# KiCad board pcb.kicad_pcb (continued)
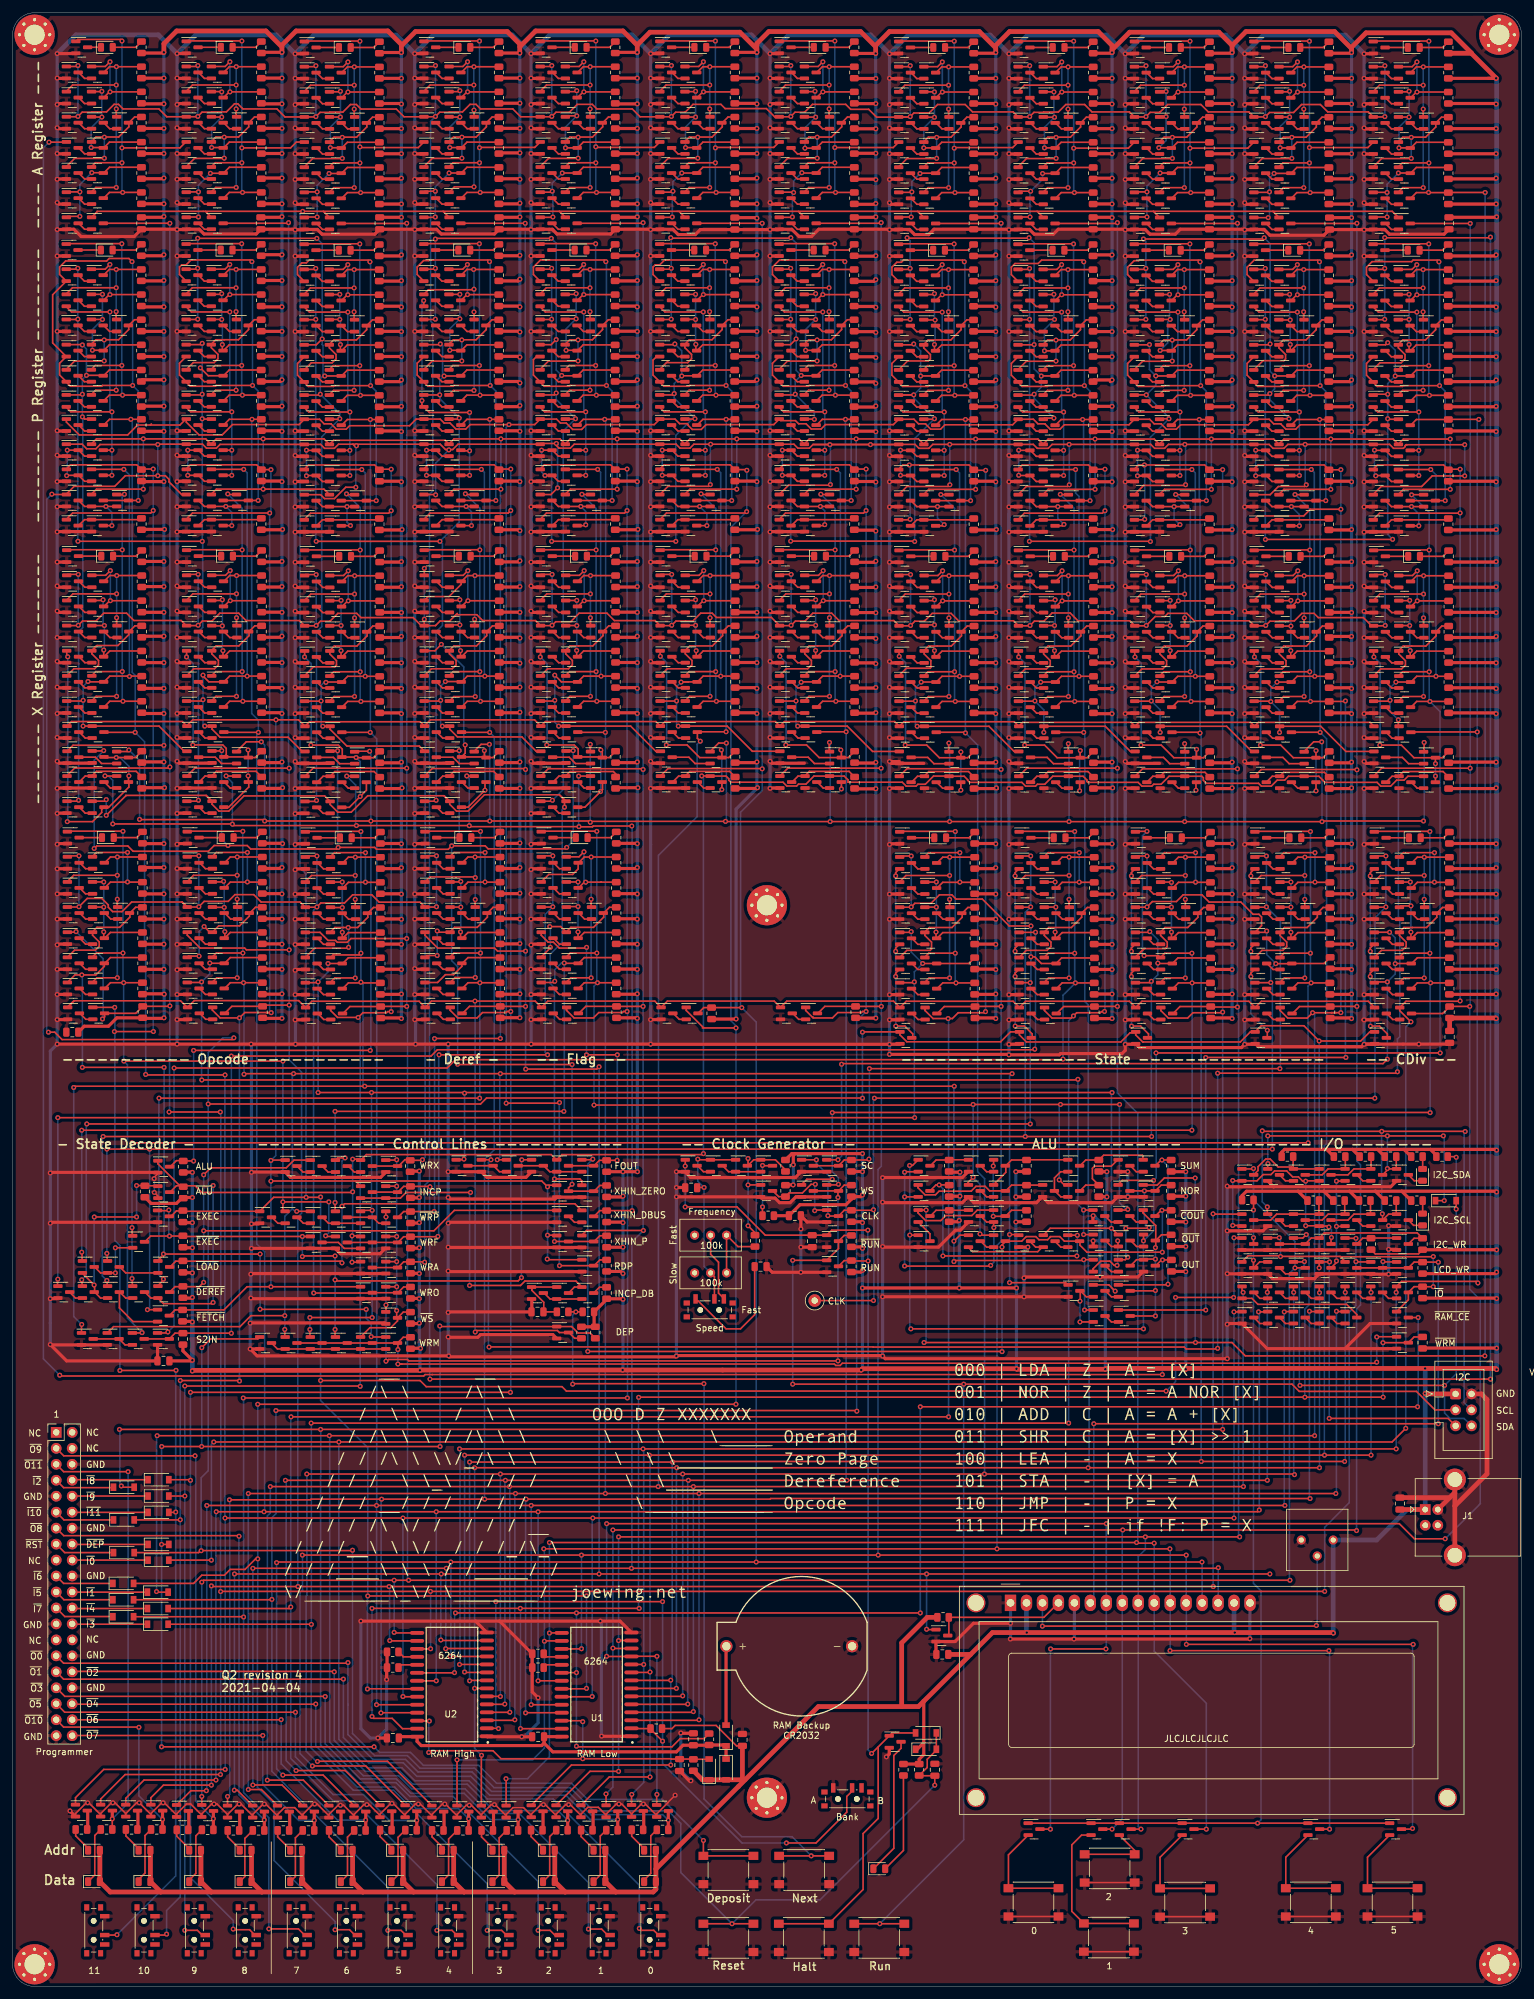
[diagram p0: board, top side]
## Routing (per net, layer and track width the routed paths; a pad name or vN(x,y) marks a point on that pad's centre or on a via; arc(x,y) is an arc through that point) (continued)
Net-(Q482-Pad1): length 22.3
  Top w0.25: 163.76,127.49 R210.2 158.91,127.49 158,126.58 155.44,126.58 154.71,127.3 153.25,127.3 152.51,126.56 152.51,126.53 147.39,126.53 146.81,125.95 145.15,125.95 144.06,127.04 Q482.1 ; 144,127.53 144,127.1
Net-(Q483-Pad2): length 2.4
  Top w0.25: 156,125.63 154.95,125.63 154,126.58
Net-(Q484-Pad2): length 2.4
  Top w0.25: 177.8,130.58 178.75,129.63 179.8,129.63
Net-(Q486-Pad1): length 11.1
  Top w0.25: 175.8,131.53 174.78,130.5 172.11,130.5 171.77,130.16 171.77,128.51 R214.2 170.71,127.49 169.8,126.58
Net-(Q489-Pad2): length 2.4
  Top w0.25: 179.8,121.63 178.75,121.63 177.8,122.58
Net-(Q490-Pad2): length 2.4
  Top w0.25: 165.8,118.58 166.75,117.63 167.8,117.63
Net-(Q491-Pad2): length 2.4
  Top w0.25: 154,118.58 154.95,117.63 156,117.63
Net-(Q492-Pad2): length 2.4
  Top w0.25: 175.8,121.63 174.75,121.63 173.8,122.58
Net-(Q493-Pad2): length 14.8
  Top w0.25: 152,117.63 152.73,116.9 163.07,116.9 163.8,117.63 162.75,117.63 161.8,118.58
Net-(Q495-Pad2): length 2.4
  Top w0.25: 177.85,118.68 178.8,117.73 179.85,117.73
Net-(Q496-Pad2): length 2.4
  Top w0.25: 173.85,114.68 174.8,113.73 175.85,113.73
Net-(Q497-Pad2): length 2.4
  Top w0.25: 173.85,110.68 174.8,109.73 175.85,109.73
Net-(Q498-Pad2): length 2.4
  Top w0.25: 175.85,105.73 174.8,105.73 173.85,106.68
Net-(Q501-Pad2): length 12.7
  Top w0.25: v1(175.7,114.73) 175.24,114.73 174.56,115.4 173.1,115.4 171.91,114.21 Q502.2 ; 171.85,114.11 171.85,113.73 ; 173.85,118.68 174.8,117.73 175.85,117.73 175.85,118.58 v1(175.8,118.63)
  Bottom w0.25: v1(175.7,114.73) 175.8,114.83 v1(175.8,118.63)
Net-(Q503-Pad2): length 9.4
  Top w0.25: 171.85,105.73 v1(169.8,105.73) ; 171.85,109.73 170.8,109.73 169.85,110.68 169.85,109.09 v1(169.8,109.04)
  Bottom w0.25: v1(169.8,105.73) v1(169.8,109.04)
Net-(Q510-Pad2): length 2.4
  Top w0.25: 67.58,154.82 68.53,153.87 69.58,153.87
Net-(Q512-Pad2): length 2.4
  Top w0.25: 67.38,248.42 68.33,247.47 69.38,247.47
Net-(Q514-Pad2): length 11.7
  Top w0.25: 67.38,244.42 68.33,243.47 69.38,243.47 ; 67.38,240.42 68.33,239.47 69.38,239.47 ; v1(65.85,240.43) 65.86,240.42 Q519.3 ; v1(65.85,244.43) 65.86,244.42 Q518.3
  Bottom w0.25: v1(65.85,240.43) v1(65.85,244.43)
Net-(Q516-Pad2): length 11.5
  Top w0.25: 67.38,236.42 68.33,235.47 v1(72.16,235.47) 73.38,235.47 ; Q521.3 73,232.42 v1(73,232.43) ; 72.75,232.42 72.75,232.43
  Bottom w0.25: v1(73,232.43) 73,234.63 v1(72.16,235.47)
Net-(Q521-Pad1): length 10.2
  Top w0.25: 67.38,232.42 68.33,233.37 77.16,233.37
Net-(Q523-Pad1): length 39.5
  Top w0.25: 71.36,272.27 72.27,273.18 v1(73.35,273.18) R225.2 ; v1(73.4,266.43) 73.42,266.41 Q532.1 ; v1(73.4,270.03) 73.33,269.95 66.15,269.95 Q526.1 ; Q523.1 70.13,253.93 v1(73.4,253.93)
  Bottom w0.25: v1(73.4,253.93) 73.43,253.95 73.43,266.4 v1(73.4,266.43) v1(73.4,270.03) 73.4,273.13 v1(73.35,273.18)
Net-(Q523-Pad2): length 2.4
  Top w0.25: 67.36,252.27 68.31,251.32 69.36,251.32
Net-(Q524-Pad1): length 21
  Top w0.25: 71.36,260.27 72.27,261.18 R227.2 ; v1(71.15,269.23) 71.14,269.22 Q524.1 ; v1(71.15,265.33) 69.53,265.33 ; v1(69.55,260.32) 71.24,260.32
  Bottom w0.25: v1(69.55,260.32) 69.55,263.73 v1(71.15,265.33) v1(71.15,269.23)
Net-(Q524-Pad2): length 2.4
  Top w0.25: 67.36,268.27 68.31,267.32 69.36,267.32
Net-(Q524-Pad3): length 14.5
  Top w0.25: 71.36,268.27 72.27,269.18 v1(72.37,269.18) R222.2 ; v1(72.36,273.97) 71.61,273.22 69.36,273.22
  Bottom w0.25: v1(72.36,273.97) 72.36,269.19 v1(72.37,269.18)
Net-(Q528-Pad2): length 2.4
  Top w0.25: 67.36,256.27 68.31,255.32 69.36,255.32
Net-(Q529-Pad2): length 2.4
  Top w0.25: 67.36,272.27 68.31,271.32 69.36,271.32
Net-(Q530-Pad1): length 20.1
  Top w0.25: R226.2 76.27,265.18 75.36,264.27 75.36,263.62 73.73,261.99 71.48,261.99 ; 69.36,261.22 70.13,261.99 71.48,261.99 ; 71.48,261.99 v1(71.45,261.97) ; 65.36,257.22 66.73,258.59 71.42,258.59 v1(71.45,258.63)
  Bottom w0.25: v1(71.45,261.97) v1(71.45,258.63)
Net-(Q532-Pad2): length 2.4
  Top w0.25: 71.36,264.27 72.3,263.32 73.36,263.32
Net-(Q533-Pad2): length 2.4
  Top w0.25: 67.36,264.27 68.31,263.32 69.36,263.32
Net-(Q535-Pad2): length 2.4
  Top w0.25: 67.36,260.27 68.31,259.32 69.36,259.32
Net-(Q537-Pad2): length 2.4
  Top w0.25: 67.38,280.52 68.33,279.57 69.38,279.57
Net-(Q539-Pad1): length 39.3
  Top w0.25: 71.38,304.52 72.29,305.43 v1(73.39,305.43) R232.2 ; 65.38,301.47 66.42,302.52 v1(73.38,302.52) ; v1(73.4,286.33) 70.29,286.33 69.44,285.47 ; v1(73.4,298.53) 73.4,297.51
  Bottom w0.25: v1(73.39,305.43) 73.38,305.42 v1(73.38,302.52) 73.38,298.55 v1(73.4,298.53) v1(73.4,286.33)
Net-(Q539-Pad2): length 2.4
  Top w0.25: 67.38,284.52 68.33,283.57 69.38,283.57
Net-(Q540-Pad1): length 21.3
  Top w0.25: 71.38,292.52 72.29,293.43 R234.2 ; v1(71.15,297.43) 69.48,297.43 ; Q540.1 71,301.47 v1(71.15,301.63) ; v1(69.55,292.57) 71.26,292.57
  Bottom w0.25: v1(71.15,301.63) v1(71.15,297.43) 69.55,295.83 v1(69.55,292.57)
Net-(Q540-Pad2): length 2.4
  Top w0.25: 67.38,300.52 68.33,299.57 69.38,299.57
Net-(Q540-Pad3): length 14.5
  Top w0.25: 71.38,300.52 72.29,301.43 v1(72.39,301.43) R229.2 ; v1(72.38,306.22) 71.62,305.47 69.38,305.47
  Bottom w0.25: v1(72.38,306.22) 72.38,301.45 v1(72.39,301.43)
Net-(Q544-Pad2): length 2.4
  Top w0.25: 67.38,288.52 68.33,287.57 69.38,287.57
Net-(Q545-Pad2): length 2.4
  Top w0.25: 67.38,304.52 68.33,303.57 69.38,303.57
Net-(Q546-Pad1): length 20.1
  Top w0.25: R233.2 76.29,297.43 75.38,296.52 75.38,295.87 73.75,294.25 71.5,294.25 ; 69.38,293.47 70.15,294.25 71.5,294.25 ; 71.5,294.25 v1(71.47,294.22) ; 65.38,289.47 66.75,290.85 71.44,290.85 v1(71.47,290.88)
  Bottom w0.25: v1(71.47,294.22) v1(71.47,290.88)
Net-(Q548-Pad2): length 2.4
  Top w0.25: 71.38,296.52 72.32,295.57 73.38,295.57
Net-(Q549-Pad2): length 2.4
  Top w0.25: 67.38,296.52 68.33,295.57 69.38,295.57
Net-(Q551-Pad2): length 2.4
  Top w0.25: 67.38,292.52 68.33,291.57 69.38,291.57
Net-(Q553-Pad2): length 2.3
  Top w0.25: 71.48,191.62 72.43,190.67 73.38,190.67
Net-(Q554-Pad2): length 2.4
  Top w0.25: 67.47,199.57 68.42,198.62 69.47,198.62
Net-(Q555-Pad2): length 2.4
  Top w0.25: 67.48,187.62 68.43,186.67 69.48,186.67
Net-(Q556-Pad2): length 6.4
  Top w0.25: 71.05,194.57 70.05,195.57 67.48,195.57 ; 71.01,194.57 73.38,194.57
Net-(Q558-Pad1): length 11
  Top w0.25: R236.2 76.54,193.32 70.22,193.32 69.48,192.57 68.43,192.57 67.48,191.62
Net-(Q563-Pad1): length 38.5
  Top w0.25: 71.42,223.56 72.34,224.47 v1(73.55,224.47) R241.2 ; Q572.1 73.49,217.51 v1(73.5,217.53) ; Q569.3 71.36,223.08 69.42,221.14 66.11,221.14 Q566.1 ; Q563.1 70.2,205.23 v1(73.6,205.23)
  Bottom w0.25: v1(73.6,205.23) 73.5,205.33 v1(73.5,217.53) 73.5,224.42 v1(73.55,224.47)
Net-(Q563-Pad2): length 2.4
  Top w0.25: 67.42,203.56 68.38,202.61 69.42,202.61
Net-(Q564-Pad1): length 18.6
  Top w0.25: 71.42,211.56 72.34,212.47 R243.2 ; v1(71.25,212.53) 71.25,211.67 ; v1(71.15,220.63) 71.03,220.51 Q564.1 ; v1(71.15,216.63) 69.6,216.63
  Bottom w0.25: v1(71.15,220.63) v1(71.15,216.63) 71.15,212.63 v1(71.25,212.53)
Net-(Q564-Pad2): length 2.4
  Top w0.25: 67.42,219.56 68.38,218.61 69.42,218.61
Net-(Q564-Pad3): length 14.5
  Top w0.25: 71.42,219.56 72.34,220.47 v1(72.44,220.47) R238.2 ; v1(72.42,225.26) 71.67,224.51 69.42,224.51
  Bottom w0.25: v1(72.42,225.26) 72.42,220.49 v1(72.44,220.47)
Net-(Q568-Pad2): length 2.4
  Top w0.25: 67.42,207.56 68.38,206.61 69.42,206.61
Net-(Q569-Pad2): length 2.4
  Top w0.25: 67.42,223.56 68.38,222.61 69.42,222.61
Net-(Q570-Pad1): length 18.5
  Top w0.25: R242.2 76.34,216.47 75.42,215.56 75.42,214.91 73.8,213.29 70.2,213.29 69.42,212.51 ; Q570.1 66.63,209.65 69.93,209.65 70.55,210.26 70.55,210.96 69.49,212.03 Q575.1
Net-(Q572-Pad2): length 2.4
  Top w0.25: 71.42,215.56 72.37,214.61 73.42,214.61
Net-(Q573-Pad2): length 2.4
  Top w0.25: 67.42,215.56 68.38,214.61 69.42,214.61
Net-(Q575-Pad2): length 2.4
  Top w0.25: 67.42,211.56 68.38,210.61 69.42,210.61
Net-(Q577-Pad1): length 39.5
  Top w0.25: 71.54,178.78 72.45,179.69 v1(73.57,179.69) R248.2 ; Q577.1 70.39,160.53 v1(73.6,160.53) ; v1(73.6,172.93) 73.6,171.73 ; v1(73.6,176.43) 73.49,176.53 66.4,176.53 Q580.1
  Bottom w0.25: v1(73.57,179.69) 73.6,179.66 v1(73.6,176.43) v1(73.6,172.93) v1(73.6,160.53)
Net-(Q577-Pad2): length 2.4
  Top w0.25: 67.54,158.78 68.49,157.83 69.54,157.83
Net-(Q578-Pad1): length 18.9
  Top w0.25: 71.54,166.78 72.45,167.69 R250.2 ; v1(71.26,167.78) 71.26,166.99 Q589.3 ; Q578.1 71.22,175.73 v1(71.3,175.81) ; v1(71.3,171.73) 69.6,171.73
  Bottom w0.25: v1(71.3,175.81) v1(71.3,171.73) 71.3,167.82 v1(71.26,167.78)
Net-(Q578-Pad2): length 2.4
  Top w0.25: 67.54,174.78 68.49,173.83 69.54,173.83
Net-(Q578-Pad3): length 17.1
  Top w0.25: 71.54,174.78 72.45,175.69 75.1,175.69 ; 75.15,175.69 75.15,175.71 v1(75.16,175.72) 75.13,175.72 75.1,175.69 ; 75.15,175.69 R245.2 ; 75.15,175.69 75.1,175.69 ; 69.54,179.73 70.22,180.42 v1(75.16,180.42)
  Bottom w0.25: v1(75.16,175.72) v1(75.16,180.42)
Net-(Q582-Pad2): length 2.4
  Top w0.25: 67.54,162.78 68.49,161.83 69.54,161.83
Net-(Q583-Pad2): length 2.4
  Top w0.25: 67.54,178.78 68.49,177.83 69.54,177.83
Net-(Q584-Pad1): length 18.1
  Top w0.25: R249.2 76.45,171.69 75.54,170.78 75.54,170.13 73.91,168.51 70.31,168.51 69.54,167.73 ; Q589.1 67.75,167.73 v1(67.55,167.93) ; v1(67.55,164.03) 65.89,164.03 Q584.1
  Bottom w0.25: v1(67.55,167.93) v1(67.55,164.03)
Net-(Q586-Pad2): length 2.4
  Top w0.25: 71.54,170.78 72.48,169.83 73.54,169.83
Net-(Q587-Pad2): length 2.4
  Top w0.25: 67.54,170.78 68.49,169.83 69.54,169.83
Net-(Q589-Pad2): length 2.4
  Top w0.25: 67.54,166.78 68.49,165.83 69.54,165.83
Net-(Q591-Pad2): length 2.4
  Top w0.25: 182.6,153.85 181.55,153.85 180.6,154.8
Net-(Q594-Pad2): length 2.4
  Top w0.25: 182.4,247.45 181.35,247.45 180.4,248.4
Net-(Q596-Pad2): length 13
  Top w0.25: 179.3,240.3 180.3,240.3 ; 182.4,243.45 181.35,243.45 180.4,244.4 ; 182.4,239.45 181.35,239.45 180.4,240.4 ; v1(178.95,244.43) 178.98,244.4 Q600.3 ; Q601.3 179,240.4 v1(178.95,240.35)
  Bottom w0.25: 178.95,243.73 178.95,243.73 v1(178.95,244.43) ; 178.95,243.73 v1(178.95,240.35) ; 178.95,243.73 178.95,244.05
Net-(Q598-Pad2): length 11.3
  Top w0.25: 180.4,236.4 181.35,235.45 Q599.2 ; v1(185.7,232.58) 185.52,232.4 184.4,232.4
  Bottom w0.25: 185.7,232.4 v1(185.7,232.58) 184.77,233.51 v1(184.77,235.45)
Net-(Q603-Pad1): length 10.2
  Top w0.25: 180.4,232.4 181.35,233.35 190.19,233.35
Net-(Q605-Pad1): length 39.6
  Top w0.25: R259.2 v1(186.39,273.15) 185.29,273.15 184.38,272.24 ; v1(186.38,270.24) 179.43,270.24 178.38,269.19 ; v1(186.38,266.44) 186.38,265.19 ; 182.38,253.19 183.13,253.94 v1(186.38,253.94)
  Bottom w0.25: v1(186.39,273.15) 186.38,273.14 v1(186.38,270.24) v1(186.38,266.44) v1(186.38,253.94)
Net-(Q605-Pad2): length 2.4
  Top w0.25: 180.38,252.24 181.33,251.29 182.38,251.29
Net-(Q606-Pad1): length 21
  Top w0.25: R261.2 185.29,261.15 184.38,260.24 ; Q606.1 184.01,269.19 v1(184.05,269.23) ; v1(182.55,260.29) 184.27,260.29 ; v1(184.15,265.23) 182.48,265.23
  Bottom w0.25: v1(184.05,269.23) 184.05,265.33 v1(184.15,265.23) 183.75,264.83 183.75,261.5 v1(182.55,260.29)
Net-(Q606-Pad2): length 2.4
  Top w0.25: 180.38,268.24 181.33,267.29 182.38,267.29
Net-(Q606-Pad3): length 14.5
  Top w0.25: R256.2 v1(185.39,269.15) 185.29,269.15 184.38,268.24 ; v1(185.38,273.94) 184.63,273.19 182.38,273.19
  Bottom w0.25: v1(185.39,269.15) 185.38,269.17 v1(185.38,273.94)
Net-(Q610-Pad2): length 2.4
  Top w0.25: 182.38,255.29 181.33,255.29 180.38,256.24
Net-(Q611-Pad2): length 2.4
  Top w0.25: 182.38,271.29 181.33,271.29 180.38,272.24
Net-(Q612-Pad1): length 20.1
  Top w0.25: 178.38,257.19 179.75,258.57 184.44,258.57 v1(184.48,258.6) ; 184.51,261.97 186.75,261.97 188.38,263.59 188.38,264.24 189.29,265.15 R260.2 ; 184.51,261.97 183.16,261.97 182.38,261.19 ; 184.51,261.97 v1(184.48,261.94)
  Bottom w0.25: v1(184.48,261.94) v1(184.48,258.6)
Net-(Q614-Pad2): length 2.4
  Top w0.25: 186.38,263.29 185.33,263.29 184.38,264.24
Net-(Q615-Pad2): length 2.4
  Top w0.25: 180.38,264.24 181.33,263.29 182.38,263.29
Net-(Q617-Pad2): length 2.4
  Top w0.25: 182.38,259.29 181.33,259.29 180.38,260.24
Net-(Q619-Pad2): length 2.4
  Top w0.25: 182.4,279.55 181.35,279.55 180.4,280.5
Net-(Q621-Pad1): length 39.6
  Top w0.25: v1(186.4,298.7) 186.4,297.45 ; 182.4,285.45 183.15,286.2 v1(186.4,286.2) ; 184.4,304.5 185.31,305.41 v1(186.41,305.41) R266.2 ; 178.4,301.45 179.45,302.5 v1(186.4,302.5)
  Bottom w0.25: v1(186.4,286.2) v1(186.4,298.7) v1(186.4,302.5) 186.4,305.4 v1(186.41,305.41)
Net-(Q621-Pad2): length 2.4
  Top w0.25: 182.4,283.55 181.35,283.55 180.4,284.5
Net-(Q622-Pad1): length 19.9
  Top w0.25: v1(183.5,301.5) 183.45,301.45 182.4,301.45 ; R268.2 185.31,293.41 184.4,292.5 ; v1(183.5,297.5) 182.45,297.5 ; v1(182.35,292.55) 184.29,292.55
  Bottom w0.25: v1(183.5,301.5) v1(183.5,297.5) 183.5,293.7 v1(182.35,292.55)
Net-(Q622-Pad2): length 2.4
  Top w0.25: 180.4,300.5 181.35,299.55 182.4,299.55
Net-(Q622-Pad3): length 14.5
  Top w0.25: v1(185.4,306.2) 184.65,305.45 182.4,305.45 ; R263.2 v1(185.41,301.41) 185.31,301.41 184.4,300.5
  Bottom w0.25: v1(185.4,306.2) 185.4,301.42 v1(185.41,301.41)
Net-(Q626-Pad2): length 2.4
  Top w0.25: 182.4,287.55 181.35,287.55 180.4,288.5
Net-(Q627-Pad2): length 2.4
  Top w0.25: 180.4,304.5 181.35,303.55 182.4,303.55
Net-(Q628-Pad1): length 20.1
  Top w0.25: v1(184.5,290.86) 184.46,290.82 179.77,290.82 178.4,289.45 ; 184.53,294.22 v1(184.5,294.2) ; 184.53,294.22 186.78,294.22 188.4,295.85 188.4,296.5 189.31,297.41 R267.2 ; 184.53,294.22 183.18,294.22 182.4,293.45
  Bottom w0.25: v1(184.5,294.2) v1(184.5,290.86)
Net-(Q630-Pad2): length 2.4
  Top w0.25: 186.4,295.55 185.35,295.55 184.4,296.5
Net-(Q631-Pad2): length 2.4
  Top w0.25: 180.4,296.5 181.35,295.55 182.4,295.55
Net-(Q633-Pad2): length 2.4
  Top w0.25: 182.4,291.55 181.35,291.55 180.4,292.5
Net-(Q635-Pad2): length 2.3
  Top w0.25: 184.5,191.6 185.45,190.65 186.4,190.65
Net-(Q636-Pad2): length 2.4
  Top w0.25: 182.5,198.6 181.45,198.6 180.5,199.55
Net-(Q637-Pad2): length 6.4
  Top w0.25: 184.08,194.55 183.08,195.55 180.5,195.55 ; 184.04,194.55 186.4,194.55
Net-(Q638-Pad3): length 11
  Top w0.25: R270.2 189.69,193.17 183.19,193.17 Q639.1 181.39,192.55 Q638.3
Net-(Q642-Pad1): length 39.6
  Top w0.25: v1(186.45,217.74) 186.45,216.49 ; 182.45,204.49 183.2,205.24 v1(186.45,205.24) ; 184.45,223.54 185.36,224.45 v1(186.46,224.45) R275.2 ; v1(186.45,221.54) 179.5,221.54 178.45,220.49
  Bottom w0.25: v1(186.46,224.45) 186.45,224.44 v1(186.45,221.54) v1(186.45,217.74) v1(186.45,205.24)
Net-(Q642-Pad2): length 2.4
  Top w0.25: 180.45,203.54 181.4,202.59 182.45,202.59
Net-(Q643-Pad1): length 18.7
  Top w0.25: 184.45,211.54 185.36,212.45 R277.2 ; v1(184.15,212.54) 184.15,211.77 Q654.3 ; Q643.1 184.11,220.49 v1(184.15,220.53) ; v1(184.15,216.53) 182.55,216.53
  Bottom w0.25: v1(184.15,220.53) v1(184.15,216.53) v1(184.15,212.54)
Net-(Q643-Pad2): length 2.4
  Top w0.25: 182.45,218.59 181.4,218.59 180.45,219.54
Net-(Q643-Pad3): length 14.5
  Top w0.25: 182.45,224.49 184.7,224.49 v1(185.45,225.24) ; R272.2 v1(185.46,220.45) 185.36,220.45 184.45,219.54
  Bottom w0.25: v1(185.45,225.24) 185.45,220.46 v1(185.46,220.45)
Net-(Q647-Pad2): length 2.4
  Top w0.25: 182.45,206.59 181.4,206.59 180.45,207.54
Net-(Q648-Pad2): length 2.4
  Top w0.25: 180.45,223.54 181.4,222.59 182.45,222.59
Net-(Q649-Pad1): length 18.5
  Top w0.25: 182.45,212.49 183.23,213.26 186.82,213.26 188.45,214.89 188.45,215.54 189.36,216.45 R276.2 ; Q649.1 179.65,209.62 182.96,209.62 183.58,210.24 183.58,210.94 182.51,212 Q654.1
Net-(Q651-Pad2): length 2.4
  Top w0.25: 186.45,214.59 185.4,214.59 184.45,215.54
Net-(Q652-Pad2): length 2.4
  Top w0.25: 182.45,214.59 181.4,214.59 180.45,215.54
Net-(Q654-Pad2): length 2.4
  Top w0.25: 180.45,211.54 181.4,210.59 182.45,210.59
Net-(Q656-Pad1): length 39.6
  Top w0.25: v1(186.56,176.76) 179.61,176.76 178.56,175.71 ; v1(186.56,172.96) 186.56,171.71 ; 184.56,178.76 185.47,179.67 v1(186.57,179.67) R282.2 ; 182.56,159.71 183.31,160.46 v1(186.56,160.46)
  Bottom w0.25: v1(186.56,160.46) v1(186.56,172.96) v1(186.56,176.76) 186.56,179.66 v1(186.57,179.67)
Net-(Q656-Pad2): length 2.4
  Top w0.25: 182.56,157.81 181.51,157.81 180.56,158.76
Net-(Q657-Pad1): length 18.6
  Top w0.25: R284.2 185.47,167.67 184.56,166.76 ; v1(184.35,175.66) 184.3,175.71 Q657.1 ; v1(184.35,167.76) 184.35,166.9 ; v1(184.35,171.73) 182.64,171.73
  Bottom w0.25: v1(184.35,167.76) v1(184.35,171.73) v1(184.35,175.66)
Net-(Q657-Pad2): length 2.4
  Top w0.25: 182.56,173.81 181.51,173.81 180.56,174.76
Net-(Q657-Pad3): length 17.1
  Top w0.25: R279.2 188.17,175.67 ; 188.17,175.67 188.17,175.68 v1(188.19,175.7) 188.16,175.7 188.13,175.67 ; 188.17,175.67 188.13,175.67 ; 182.56,179.71 183.25,180.39 v1(188.19,180.39) ; 184.56,174.76 185.47,175.67 188.13,175.67
  Bottom w0.25: v1(188.19,175.7) v1(188.19,180.39)
Net-(Q661-Pad2): length 2.4
  Top w0.25: 182.56,161.81 181.51,161.81 180.56,162.76
Net-(Q662-Pad2): length 2.4
  Top w0.25: 180.56,178.76 181.51,177.81 182.56,177.81
Net-(Q663-Pad1): length 20.4
  Top w0.25: R283.2 189.47,171.67 188.56,170.76 188.56,170.11 186.94,168.48 183.34,168.48 182.56,167.71 ; 179.94,165.08 178.56,163.71 ; Q668.1 182.62,167.22 183.69,166.16 183.69,165.46 183.35,165.13 180.04,165.13 Q663.1
Net-(Q665-Pad2): length 2.4
  Top w0.25: 186.56,169.81 185.51,169.81 184.56,170.76
Net-(Q666-Pad2): length 2.4
  Top w0.25: 180.56,170.76 181.51,169.81 182.56,169.81
Net-(Q668-Pad2): length 2.4
  Top w0.25: 182.56,165.81 181.51,165.81 180.56,166.76
Net-(Q674-Pad2): length 2.6
  Top w0.25: Q675.3 218.89,109.48 Q674.2
Net-(Q675-Pad2): length 2.6
  Top w0.25: Q676.3 214.79,109.48 Q675.2
Net-(Q676-Pad2): length 2.6
  Top w0.25: Q676.2 210.69,109.48 Q677.3
Net-(Q677-Pad2): length 2.6
  Top w0.25: Q677.2 206.59,109.48 Q680.3
Net-(Q680-Pad2): length 2.6
  Top w0.25: Q680.2 202.49,109.48 Q681.3
Net-(Q681-Pad2): length 2.6
  Top w0.25: Q681.2 198.41,109.48 Q682.3
Net-(Q682-Pad2): length 19.8
  Top w0.25: Q682.2 197.15,109.48 198.1,108.53 212.22,108.53 213.84,106.91 Q683.3
Net-(Q683-Pad2): length 2.6
  Top w0.25: Q683.2 210.69,105.48 Q684.3
Net-(Q684-Pad2): length 2.6
  Top w0.25: Q685.3 206.59,105.48 Q684.2
Net-(Q685-Pad2): length 2.6
  Top w0.25: Q686.3 202.49,105.48 Q685.2
Net-(Q686-Pad2): length 2.6
  Top w0.25: Q687.3 198.41,105.48 Q686.2
Net-(Q688-Pad2): length 2.4
  Top w0.25: 86.07,154.82 87.03,153.87 88.07,153.87
Net-(Q690-Pad2): length 2.4
  Top w0.25: 85.88,248.42 86.82,247.47 87.88,247.47
Net-(Q692-Pad2): length 11.9
  Top w0.25: 87.88,243.47 86.82,243.47 85.88,244.42 84.16,244.42 v1(84.15,244.43) ; 85.88,240.42 86.82,239.47 87.88,239.47 ; Q697.3 84.71,240.42 v1(84.69,240.4)
  Bottom w0.25: v1(84.69,240.4) 84.15,240.95 v1(84.15,244.43)
Net-(Q694-Pad2): length 11.1
  Top w0.25: 85.88,236.42 86.82,235.47 v1(90.4,235.47) 91.88,235.47 ; 89.88,232.42 91.04,232.42 v1(91.18,232.55)
  Bottom w0.25: 91.18,232.42 v1(91.18,232.55) 91.18,234.69 v1(90.4,235.47)
Net-(Q699-Pad1): length 10.2
  Top w0.25: 85.88,232.42 86.82,233.37 95.66,233.37
Net-(Q701-Pad1): length 39.6
  Top w0.25: 89.85,272.27 90.77,273.18 v1(91.87,273.18) R306.2 ; v1(91.85,253.97) 88.6,253.97 87.85,253.22 ; v1(91.85,266.47) 91.85,265.22 ; 83.85,269.22 84.91,270.27 v1(91.85,270.27)
  Bottom w0.25: v1(91.85,253.97) v1(91.85,266.47) v1(91.85,270.27) 91.85,273.17 v1(91.87,273.18)
Net-(Q701-Pad2): length 2.4
  Top w0.25: 85.85,252.27 86.81,251.32 87.85,251.32
Net-(Q702-Pad1): length 21.1
  Top w0.25: 89.85,260.27 90.77,261.18 R308.2 ; v1(89.65,269.33) 89.54,269.22 Q702.1 ; v1(88.05,260.32) 89.74,260.32 ; v1(89.65,265.33) 88.03,265.33
  Bottom w0.25: v1(88.05,260.32) 88.05,263.73 v1(89.65,265.33) v1(89.65,269.33)
Net-(Q702-Pad2): length 2.4
  Top w0.25: 85.85,268.27 86.81,267.32 87.85,267.32
Net-(Q702-Pad3): length 14.5
  Top w0.25: 89.85,268.27 90.77,269.18 v1(90.87,269.18) R303.2 ; v1(90.85,273.97) 90.1,273.22 87.85,273.22
  Bottom w0.25: v1(90.85,273.97) 90.85,269.19 v1(90.87,269.18)
Net-(Q706-Pad2): length 2.4
  Top w0.25: 85.85,256.27 86.81,255.32 87.85,255.32
Net-(Q707-Pad2): length 2.4
  Top w0.25: 85.85,272.27 86.81,271.32 87.85,271.32
Net-(Q708-Pad1): length 20.1
  Top w0.25: R307.2 94.77,265.18 93.85,264.27 93.85,263.62 92.23,261.99 89.98,261.99 ; 87.85,261.22 88.63,261.99 89.98,261.99 ; 89.98,261.99 v1(89.96,261.97) ; 83.85,257.22 85.23,258.59 89.92,258.59 v1(89.96,258.63)
  Bottom w0.25: v1(89.96,261.97) v1(89.96,258.63)
Net-(Q710-Pad2): length 2.4
  Top w0.25: 89.85,264.27 90.8,263.32 91.85,263.32
Net-(Q711-Pad2): length 2.4
  Top w0.25: 85.85,264.27 86.81,263.32 87.85,263.32
Net-(Q713-Pad2): length 2.4
  Top w0.25: 85.85,260.27 86.81,259.32 87.85,259.32
Net-(Q715-Pad2): length 2.4
  Top w0.25: 85.88,280.52 86.82,279.57 87.88,279.57
Net-(Q717-Pad1): length 39.6
  Top w0.25: 89.88,304.52 90.79,305.43 v1(91.89,305.43) R313.2 ; v1(91.88,286.22) 88.62,286.22 87.88,285.47 ; v1(91.88,298.72) 91.88,297.47 ; 83.88,301.47 84.93,302.52 v1(91.88,302.52)
  Bottom w0.25: v1(91.88,286.22) v1(91.88,298.72) v1(91.88,302.52) 91.88,305.42 v1(91.89,305.43)
Net-(Q717-Pad2): length 2.4
  Top w0.25: 85.88,284.52 86.82,283.57 87.88,283.57
Net-(Q718-Pad1): length 21.6
  Top w0.25: 89.88,292.52 90.79,293.43 R315.2 ; v1(87.95,292.53) 89.81,292.53 ; v1(89.75,301.63) 89.59,301.47 Q718.1 ; v1(89.75,297.63) 88.09,297.63
  Bottom w0.25: v1(87.95,292.53) 87.95,295.83 v1(89.75,297.63) v1(89.75,301.63)
Net-(Q718-Pad2): length 2.4
  Top w0.25: 85.88,300.52 86.82,299.57 87.88,299.57
Net-(Q718-Pad3): length 14.5
  Top w0.25: 89.88,300.52 90.79,301.43 v1(90.89,301.43) R310.2 ; v1(90.88,306.22) 90.12,305.47 87.88,305.47
  Bottom w0.25: v1(90.88,306.22) 90.88,301.45 v1(90.89,301.43)
Net-(Q722-Pad2): length 2.4
  Top w0.25: 85.88,288.52 86.82,287.57 87.88,287.57
Net-(Q723-Pad2): length 2.4
  Top w0.25: 85.88,304.52 86.82,303.57 87.88,303.57
Net-(Q724-Pad1): length 20.1
  Top w0.25: R314.2 94.79,297.43 93.88,296.52 93.88,295.87 92.25,294.25 90,294.25 ; 87.88,293.47 88.65,294.25 90,294.25 ; 90,294.25 v1(89.97,294.22) ; 83.88,289.47 85.25,290.85 89.94,290.85 v1(89.97,290.88)
  Bottom w0.25: v1(89.97,294.22) v1(89.97,290.88)
Net-(Q726-Pad2): length 2.4
  Top w0.25: 89.88,296.52 90.82,295.57 91.88,295.57
Net-(Q727-Pad2): length 2.4
  Top w0.25: 85.88,296.52 86.82,295.57 87.88,295.57
Net-(Q729-Pad2): length 2.4
  Top w0.25: 85.88,292.52 86.82,291.57 87.88,291.57
Net-(Q731-Pad2): length 2.3
  Top w0.25: 89.98,191.62 90.93,190.67 91.88,190.67
Net-(Q732-Pad2): length 2.4
  Top w0.25: 85.97,199.57 86.93,198.62 87.97,198.62
Net-(Q733-Pad2): length 2.4
  Top w0.25: 85.98,187.62 86.93,186.67 87.98,186.67
Net-(Q734-Pad2): length 6.4
  Top w0.25: 91.94,194.57 89.55,194.57 88.55,195.57 85.98,195.57
Net-(Q736-Pad1): length 11.3
  Top w0.25: 85.98,191.62 86.93,192.57 87.98,192.57 88.7,193.3 95.57,193.3 95.93,192.95 R317.2
Net-(Q741-Pad1): length 39.6
  Top w0.25: 89.93,223.56 90.84,224.47 v1(91.94,224.47) R322.2 ; v1(91.93,205.26) 88.68,205.26 87.93,204.51 ; v1(91.93,217.76) 91.93,216.51 ; 83.93,220.51 84.97,221.56 v1(91.93,221.56)
  Bottom w0.25: v1(91.93,205.26) v1(91.93,217.76) v1(91.93,221.56) 91.93,224.46 v1(91.94,224.47)
Net-(Q741-Pad2): length 2.4
  Top w0.25: 85.93,203.56 86.88,202.61 87.93,202.61
Net-(Q742-Pad1): length 18.7
  Top w0.25: 89.93,211.56 90.84,212.47 R324.2 ; Q742.1 89.74,220.51 v1(89.75,220.53) ; v1(89.74,212.56) 89.74,211.69 ; v1(89.75,216.53) 88,216.53
  Bottom w0.25: v1(89.74,212.56) 89.75,212.57 v1(89.75,216.53) v1(89.75,220.53)
Net-(Q742-Pad2): length 2.4
  Top w0.25: 85.93,219.56 86.88,218.61 87.93,218.61
Net-(Q742-Pad3): length 14.5
  Top w0.25: 89.93,219.56 90.84,220.47 v1(90.94,220.47) R319.2 ; v1(90.93,225.26) 90.18,224.51 87.93,224.51
  Bottom w0.25: v1(90.93,225.26) 90.93,220.49 v1(90.94,220.47)
Net-(Q746-Pad2): length 2.4
  Top w0.25: 85.93,207.56 86.88,206.61 87.93,206.61
Net-(Q747-Pad2): length 2.4
  Top w0.25: 85.93,223.56 86.88,222.61 87.93,222.61
Net-(Q748-Pad1): length 18.5
  Top w0.25: R323.2 94.84,216.47 93.93,215.56 93.93,214.91 92.3,213.29 90.05,213.29 ; 87.93,212.51 88.7,213.29 90.05,213.29 ; 90.05,213.29 90.03,213.26 ; Q753.1 87.99,212.03 89.05,210.96 89.05,210.26 88.43,209.65 85.13,209.65 Q748.1
Net-(Q750-Pad2): length 2.4
  Top w0.25: 89.93,215.56 90.87,214.61 91.93,214.61
Net-(Q751-Pad2): length 2.4
  Top w0.25: 85.93,215.56 86.88,214.61 87.93,214.61
Net-(Q753-Pad2): length 2.4
  Top w0.25: 85.93,211.56 86.88,210.61 87.93,210.61
Net-(Q755-Pad1): length 38.9
  Top w0.25: 90.04,178.78 90.95,179.69 v1(92.05,179.69) R329.2 ; v1(92.04,160.48) 88.79,160.48 88.04,159.73 ; v1(92.04,172.98) 92.04,171.73 ; Q758.1 84.72,176.36 84.73,176.36 85.3,176.93 89.1,176.93 89.97,177.8 Q761.3
  Bottom w0.25: v1(92.04,160.48) v1(92.04,172.98) 92.04,179.68 v1(92.05,179.69)
Net-(Q755-Pad2): length 2.4
  Top w0.25: 86.04,158.78 86.99,157.83 88.04,157.83
Net-(Q756-Pad1): length 18.9
  Top w0.25: 90.04,166.78 90.95,167.69 R331.2 ; Q756.1 89.94,175.73 v1(89.95,175.73) ; v1(89.95,167.78) 89.95,166.81 ; v1(89.95,171.81) 88.18,171.81